# Allegro board AIC8800D80_EVB_V5-PCB.brd
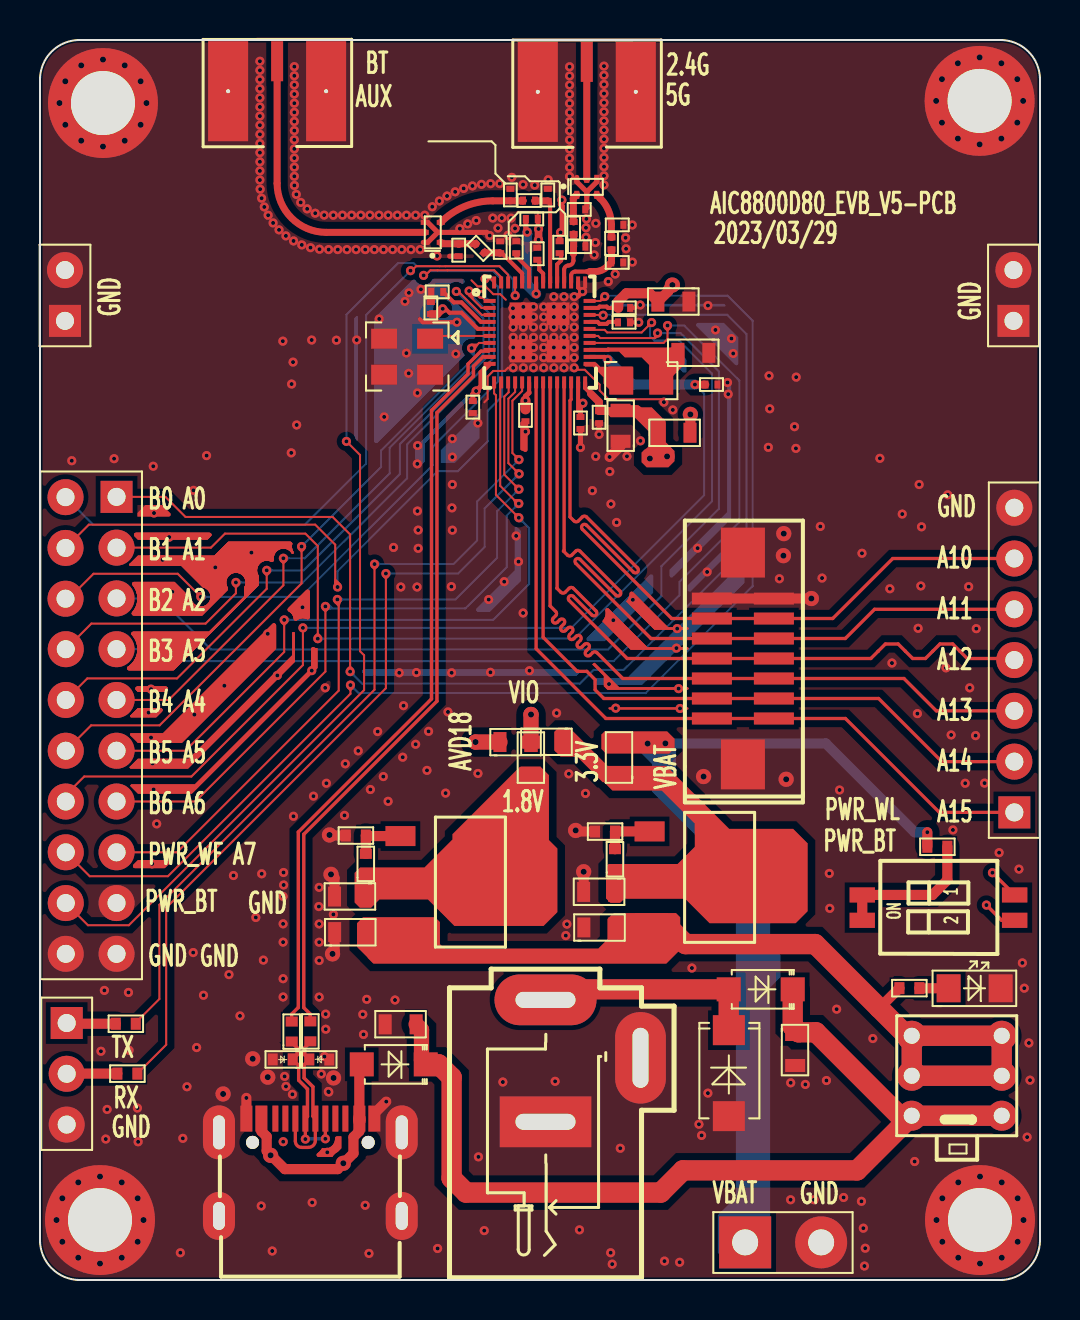
[diagram p0: board, top side]
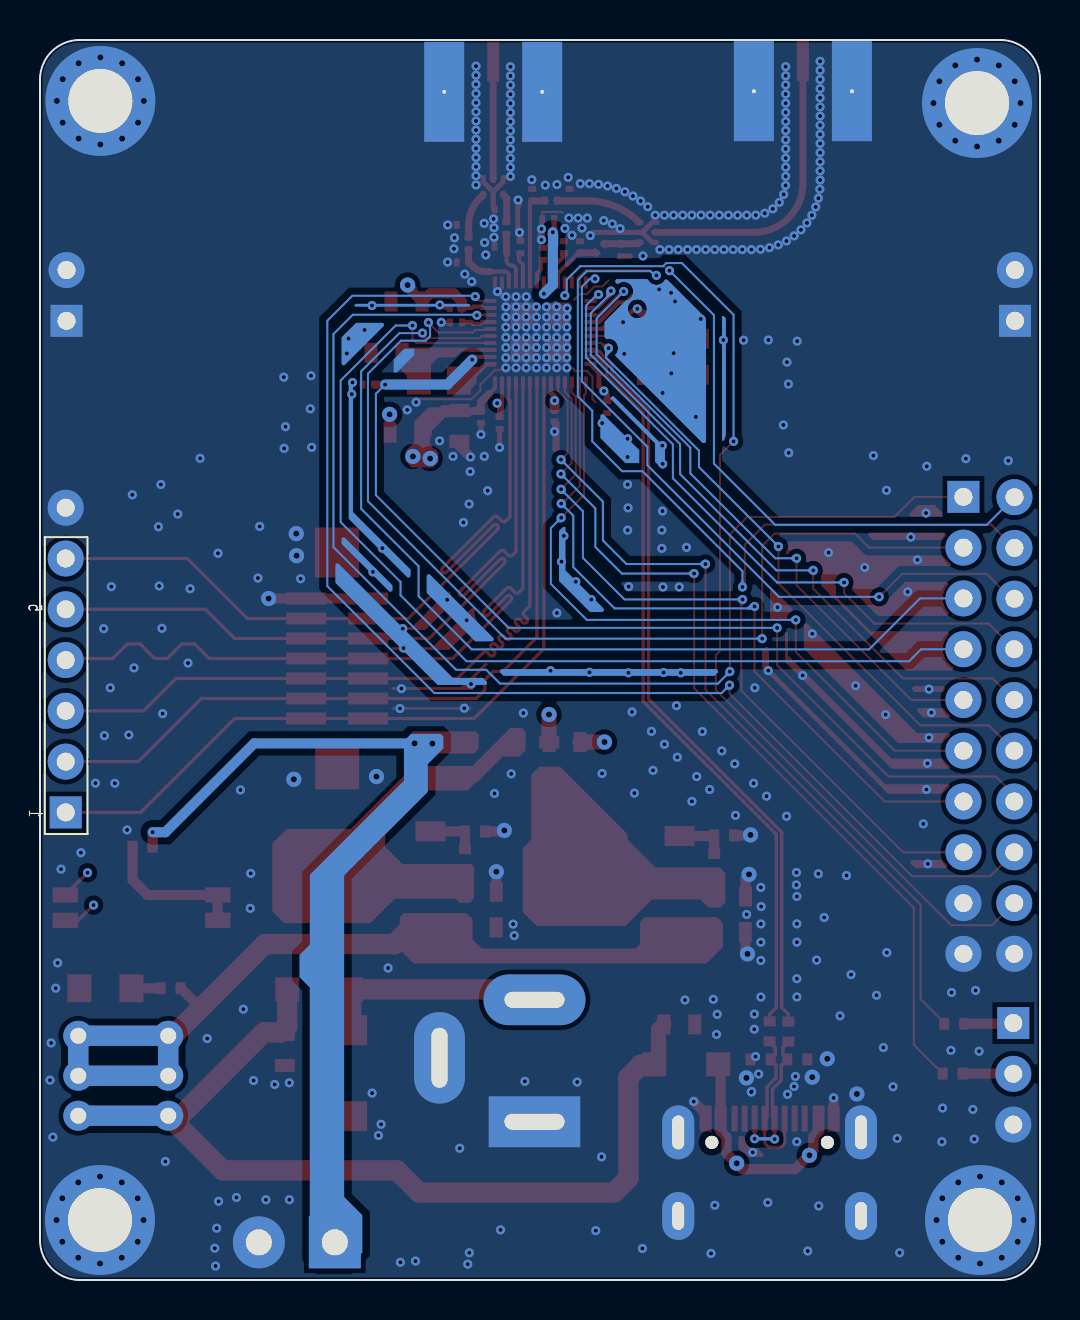
[diagram p1: board, bottom side, seen from below]

Outline 50 x 62.03 mm; copper layers: TOP, L2_GND, L3_VCC, BOTTOM. Coordinates in mm from the lower left corner of the outline.
Outline path: 0,60.05 arc(0.58,61.45) 1.98,62.03 48.02,62.03 arc(49.42,61.45) 50,60.05 50,2 arc(49.41,0.59) 48,0 2,0 arc(0.59,0.59) 0,2 0,60.05

## Design rules (mm)
net group USB_DM: nets N17026338 USB_DM
net group USB_DP: nets N17026336 USB_DP

## Placement (name value [footprint] x y rotation side)
C1  1uF  [C0201]  24.59 53.08 0 top
C2  1uF  [C0201]  24.86 51.34 270 top
C3  NC  [C0201]  25.39 54.28 90 top
C4  0.5pF  [C0201]  23.52 54.28 90 top
C5  2pF  [C0201]  20.94 51.51 270 top
C6  NC  [C0201]  23.01 51.66 90 top
C7  NC  [C0201]  26.97 51.69 0 top
C8  2pF  [C0201]  26.96 53.56 0 top
C9  NC  [C0201]  28.86 50.9 0 top
C10  0.5pF  [C0201]  28.87 52.78 0 top
C11  1uF  [C0201]  29.2 47.91 180 top
C12  4.7uF  [C0603]  31.67 48.94 180 top
C13  1uF  [C0201]  29.21 48.63 180 top
C14  1uF  [C0201]  19.86 49.43 0 top
C15  1uF  [C0201]  19.54 48.62 270 top
C16  1uF  [C0201]  24.27 43.26 90 top
C17  1uF  [C0201]  21.64 43.67 90 top
C18  1uF  [C0201]  27.02 42.87 90 top
C19  4.7uF  [C0603]  32.67 46.38 180 top
C20  10uF  [C0603]  15.51 17.4 0 top
C21  4.7uF  [C0603]  29.03 42.73 90 top
C22  10uF  [C0603]  18.03 12.79 180 top
C24  10uF  [C0603]  27.96 19.42 180 top
C25  10uF  [C0603]  27.97 17.64 0 top
C26  10uF  [C0603]  15.5 19.18 180 top
C27  1uF  [C0201]  27.95 43.16 90 top
C28  1uF/NC  [C0201]  33.57 44.79 180 top
C29  2pF  [C0201]  28.58 51.86 90 top
C30  1.2pF  [C0201]  24.45 54 180 top
C31  10uF  [C0603]  37.76 11.51 270 top
CON5  DC-005  [PWC0103-M-C]  25.28 7.92 270 top
D1  RB160M-20  [SOD-123FL_3P2_2P9X1P9]  36.04 14.54 180 top
D2  SMAJ5.0CA  [SMA_4P3_4P5X3P0]  34.44 10.35 90 top
D3  0402ESDA-MLP  [D0402]  13.96 11.03 0 top
D4  0402ESDA-MLP  [D0402]  12.13 11.04 180 top
D5  RB160M-20  [SOD-123FL_3P2_2P9X1P9]  17.69 10.79 180 top
J3  NC/FPC-LT_7P  [FPC-LT_1P0_7P]  35.14 31.09 90 top
J4  SMA-5P  [SMA_KE_3P_0P2_GAP0P75]  11.86 59.47 270 top
J6  SMA-5P  [SMA_KE_3P_0P2_GAP0P75]  27.34 59.44 270 top
J8  HEADER2  [CON2_3P8_3P8X7P6_TESTPWR]  35.26 1.88 0 top
J9  CON1x2  [CON2_2P54_5P08X2P54]  48.67 47.98 90 top
J10  CON1x3  [CON3_2P54_7P62X2P54]  1.33 12.86 270 top
J11  CON2x10  [CON2X10_2P54_25P4X5P08]  3.83 39.18 270 top
J12  CON1x7  [CON7_2P54_17P78X2P54]  48.72 23.39 90 top
J13  CON1x2  [CON2_2P54_5P08X2P54]  1.25 47.98 90 top
L1  1.2nH  [L0201]  23.81 51.67 270 top
L2  1.4nH  [L0201]  25.98 51.67 90 top
L4  4.7uH  [L0805]  30.06 44.99 0 top
L5  1.8nH  [L0201]  26.68 52.63 90 top
L6  2nH  [L0201]  21.99 51.61 315 top
LED1  LED  [LED_0805]  46.73 14.59 0 top
MG1  NC/M_GND  [MG_C5P5_H3P2]  3 3 0 top
MG2  NC/M_GND  [MG_C5P5_H3P2]  47 3 0 top
MG3  NC/M_GND  [MG_C5P5_H3P2]  3.15 58.88 0 top
MG4  NC/M_GND  [MG_C5P5_H3P2]  46.98 58.98 0 top
NOREF  -  []  40.79 55.94 0 top
R12  1k  [R0402]  28.75 21.05 90 top
R13  1.6k  [R0402]  28.25 22.44 180 top
R14  0R  [R0402]  13.52 12.44 90 top
R15  0R  [R0402]  12.59 12.43 90 top
R16  1k  [R0402]  16.29 20.82 90 top
R17  470R  [R0402]  15.79 22.24 180 top
R18  10K  [R0402]  43.47 14.6 0 top
R19  1k  [R0402]  4.29 12.82 180 top
R20  1k  [R0402]  4.37 10.33 180 top
R21  47K  [R0402]  44.87 21.68 180 top
R23  0R/NC  [R0603]  28.94 26.13 90 top
R24  0R/NC  [R0603]  31.73 42.39 0 top
R26  0R/NC  [R0603]  24.54 26.13 90 top
R28  0R/NC  [R0603]  23.77 26.91 0 top
R29  0R/NC  [R0603]  25.33 26.92 180 top
SW2  SW_6P_5.8x5.8mm  [SW-6P_5P8X5P8]  45.84 10.22 270 top
SW3  sw2_1p27_4p2x5p4  [SW2_1P27_4P2X5P4]  44.92 18.63 90 top
U1  SLFD18-5R950G-07T  [DP1806_0P5_1P6X0P8]  19.64 52.41 90 top
U2  AMS1117-ADJ  [SOT-223_4_2P3M_6P7X10M]  37.48 20.14 270 top
U3  TYPE_C_USB  [USB_TYPE-C_16PIN]  13.52 7.98 0 top
U4  AMS1117-ADJ  [SOT-223_4_2P3M_6P7X10M]  25.02 19.91 270 top
U8  AIC8800D80/AIC8800M80  [QFN48-F-4EP_0P35_5X5X0P75]  24.98 47.4 0 top
U9  SLFD18-5R950G-07T  [DP1806_0P5_1P6X0P8]  27.34 54.69 0 top
Y1  40MHz  [OSC-4_3225_3P2X2P5X0P7]  18.36 46.19 180 top

## Library data of the parts
C1-C21 C24-C30 = C_SMT
C22 C31 = CAP NP
CON5 = CON_DC005
D1 D5 = DIODE
D2 = TVS
D3 D4 = DIODE_TVS_BIDIR
J3 = FPC-LT_7P
J4 J6 = SMA-5P
J8 J9 J13 = CON1x2
J10 = CON1x3
J11 = CON2x10
J12 = CON1x7
L1 L2 L4-L6 = INDUCTOR
LED1 = LED
MG1-MG4 = M_GND
R12 R13 R16-R21 R23 R24 R26 R28 R29 = R_SMT
R14 R15 = R_SMT: signal model: R_SMT_R0402_0R_0R
SW2 = SW_6P_5.8x5.8mm
SW3 = sw2_1p27_4p2x5p4
U1 U9 = DP1608
U2 U4 = ASM1117
U3 = USB_TYPE-C_16p
U8 = AIC8800D80/AIC8800M80
Y1 = 26MHz

## Footprints (pads in the part's own frame, mm; a bottom-side part is the same pattern mirrored in y, then rotated)
C0201
  rect 0.3x0.4 smd: 1(-0.3,0) 2(0.3,0)
C0603
  rect 0.65x1 smd: 1(-0.775,0) 2(0.775,0)
CON2_2P54_5P08X2P54
  rect 1.6x1.6 hole 0.9: 1(0,0)
  round 1.8 hole 0.9: 2(2.54,0)
CON2_3P8_3P8X7P6_TESTPWR
  rect 2.6x2.6 hole 1.3: 1(0,0)
  round 2.6 hole 1.3: 2(3.8,0)
CON2X10_2P54_25P4X5P08
  rect 1.6x1.6 hole 0.9: 1(0,0)
  round 1.8 hole 0.9: 2(0.015,-2.552) 3(2.54,0) 4(2.555,-2.552) 5(5.08,0) 6(5.095,-2.552) 7(7.62,0) 8(7.62,-2.54) 9(10.16,0) 10(10.16,-2.54) 11(12.7,0) 12(12.7,-2.54) 13(15.24,0) 14(15.24,-2.54) 15(17.78,0) 16(17.78,-2.54) 17(20.32,0) 18(20.32,-2.54) 19(22.86,0) 20(22.86,-2.54)
CON3_2P54_7P62X2P54
  rect 1.6x1.6 hole 0.9: 1(0,0)
  round 1.8 hole 0.9: 2(2.54,0) 3(5.08,0)
CON7_2P54_17P78X2P54
  rect 1.6x1.6 hole 0.9: 1(0,0)
  round 1.8 hole 0.9: 2(2.54,0) 3(5.08,0) 4(7.62,0) 5(10.16,0) 6(12.7,0) 7(15.24,0)
D0402
  rect 0.5x0.6 smd: 1(-0.5,0) 2(0.5,0)
DP1806_0P5_1P6X0P8
  rect 0.25x0.4 smd: 1(-0.5,-0.4) 3(0.5,-0.4) 4(0.5,0.4) 5(0,0.4)
  oval 0.25x0.4 smd: 2(0,-0.4) 6(-0.5,0.4)
FPC-LT_1P0_7P
  rect 0.6x2 smd: 1(-3,1.55) 2(-2,1.55) 3(-1,1.55) 4(0,1.55) 5(1,1.55) 6(2,1.55) 7(3,1.55) 8(-3,-1.55) 9(-2,-1.55) 10(-1,-1.55) 11(0,-1.55) 12(1,-1.55) 13(2,-1.55) 14(3,-1.55)
  rect 2.5x2.2 smd: 15(-5.3,0) 16(5.3,0)
L0201
  rect 0.3x0.4 smd: 1(-0.3,0) 2(0.3,0)
L0805
  rect 1.2x1.4 smd: 1(-1,0) 2(1,0)
LED_0805
  rect 1.2x1.4 smd: 1(1.3,0) 2(-1.3,0)
MG_C5P5_H3P2
  round 5.5 hole 3.2: 1(0,0)
OSC-4_3225_3P2X2P5X0P7
  rect 1.3x1 smd: 1(-1.15,-0.9) 2(1.15,-0.9) 3(1.15,0.9) 4(-1.15,0.9)
PWC0103-M-C
  rect 2.54x4.58 hole 0.8x3: 1(0,0)
  oval 2.54x5.1 hole 0.8x3: 2(-6.1,0)
  oval 4.58x2.54 hole 3x0.8: 3(-3.2,4.75)
QFN48-F-4EP_0P35_5X5X0P75
  rect 0.6x0.2 smd: 1(-2.5,1.575) 2(-2.5,1.225) 3(-2.5,0.875) 4(-2.5,0.525) 5(-2.5,0.175) 6(-2.5,-0.175) 7(-2.5,-0.525) 8(-2.5,-0.875) 9(-2.5,-1.225) 10(-2.5,-1.575) 25(2.5,-1.575) 26(2.5,-1.225) 27(2.5,-0.875) 28(2.5,-0.525) 29(2.5,-0.175) 30(2.5,0.175) 31(2.5,0.525) 32(2.5,0.875) 33(2.5,1.225) 34(2.5,1.575)
  rect 0.2x0.6 smd: 11(-2.275,-2.5) 12(-1.925,-2.5) 13(-1.575,-2.5) 14(-1.225,-2.5) 15(-0.875,-2.5) 16(-0.525,-2.5) 17(-0.175,-2.5) 18(0.175,-2.5) 19(0.525,-2.5) 20(0.875,-2.5) 21(1.225,-2.5) 22(1.575,-2.5) 23(1.925,-2.5) 24(2.275,-2.5) 35(2.275,2.5) 36(1.925,2.5) 37(1.575,2.5) 38(1.225,2.5) 39(0.875,2.5) 40(0.525,2.5) 41(0.175,2.5) 42(-0.175,2.5) 43(-0.525,2.5) 44(-0.875,2.5) 45(-1.225,2.5) 46(-1.575,2.5) 47(-1.925,2.5) 48(-2.275,2.5)
  rect 1.15x1.15 smd: 49(-0.925,0.925) 50(0.925,0.925) 51(-0.925,-0.925) 52(0.925,-0.925)
R0402
  rect 0.5x0.6 smd: 1(-0.5,0) 2(0.5,0)
R0603
  rect 0.65x1 smd: 1(-0.775,0) 2(0.775,0)
SMA_4P3_4P5X3P0
  rect 1.5x1.6 smd: 1(-2.15,0) 2(2.15,0)
SMA_KE_3P_0P2_GAP0P75
  rect 2x0.6 smd: 1(-1.5,0)
  rect 5x2 hole 0.2: 2(0,2.45) 3(0,-2.45)
SOD-123FL_3P2_2P9X1P9
  rect 1.2x1.2 smd: 1(-1.6,0) 2(1.6,0)
SOT-223_4_2P3M_6P7X10M
  rect 1x1.5 smd: 1(-2.3,-7) 2(0,-7) 3(2.3,-7)
  rect 3.2x1.5 smd: 4(0,0)
SW2_1P27_4P2X5P4
  rect 0.76x1.27 smd: 1(-0.635,3.81) 2(-0.635,-3.81) 3(0.635,3.81) 4(0.635,-3.81)
SW-6P_5P8X5P8
  round 1.5 hole 0.8: 1(-2,-2.25) 2(0,-2.25) 3(2,-2.25) 4(-2,2.25) 5(0,2.25) 6(2,2.25)
USB_TYPE-C_16PIN
  round 0.65 hole 0.65: (-2.89,-1.09) (2.89,-1.09)
  rect 0.6x1.3 smd: A1B12(-3.2,0.1) A4B9(-2.45,0.1) B1A12(3.2,0.1) B4A9(2.45,0.1)
  rect 0.3x1.3 smd: A5(-1.25,0.1) A6(-0.25,0.1) A7(0.25,0.1) A8(1.25,0.1) B5(1.75,0.1) B6(0.75,0.1) B7(-0.75,0.1) B8(-1.75,0.1)
  oval 1.6x2.7 hole 0.6x1.7: G1(-4.57,-0.59) G2(4.57,-0.59)
  oval 1.6x2.4 hole 0.6x1.4: G3(4.57,-4.77) G4(-4.57,-4.77)

## Nets
AVDD13: C19.2 L4.2 U8.27(V_RF)
AVDD18: C15.2 R28.1 U8.5(AVDD18)
AVDD33_PA: C12.2 C13.2 R24.2 U8.33(VDD33_PA)
GND: C1.2 C2.1 C3.2 C4.2 C5.2 C6.2 C7.2 C8.2 C9.2 C10.2 C11.1 C12.1 C13.1 C14.1 C15.1 C16.1 C17.1 C18.1 C19.1 C20.1 C21.1 C22.2 C24.2 C25.1 C26.2 C27.1 C28.1 C31.2 CON5.1(G2) CON5.3(G1) D2.1(A) D3.2(A2) D4.2(A2) J3.7 J3.14 J3.15 J3.16 J4.2 J4.3 J6.2 J6.3 J8.2 J9.1 J9.2 J10.3 J11.17 J11.19 J11.20 J12.7 J13.1 J13.2 L1.1 L2.2 LED1.1(CATHODE) MG1.1 MG2.1 MG3.1 MG4.1 R13.2 R17.2 U1.2(G#2) U1.4(G#4) U1.6(G#6) U3.A1B12(GND#A1B12) U3.B1A12(GND#B1A12) U3.G1 U3.G2 U3.G3 U3.G4 U8.35(AVSS#35) U8.36(AVSS#36) U8.49(EP#49) U8.50(EP#50) U8.51(EP#51) U8.52(EP#52) U9.2(G#2) U9.4(G#4) U9.6(G#6) Y1.2 Y1.3 Y1.4
VBAT: C21.2 C27.2 J8.1 R21.2 R23.2 R24.1 U8.24(VBAT)
VCC5V: C20.2 C25.2 R18.1 SW2.1 SW2.2 SW2.4 SW2.5 U2.3(IN) U4.3(IN)
VCC5V_IN: C22.1 C31.1 D1.1(K) D5.1(K) SW2.3 SW2.6
VCC18: C26.1 R16.1 R26.1 U4.2(OUT) U4.4(OUT2)
VCC33: C24.1 R12.1 R23.1 R29.1 U2.2(OUT) U2.4(OUT2)
BT_AUX_ANT: J4.1 U1.5(RF_IN)
BT_DVDD: C1.1 U8.42(DVDD_BT)
BT_IND: L1.2 U8.43(BT_IND)
DECAP0: C11.2 U8.31(AVDD#31)
DECAP1: C2.2 U8.41(AVDD#41)
DECAP2: C14.2 U8.4(AVDD#4)
GPIOA0: J11.1 U8.32(GPIOA0)
GPIOA1: J11.3 U8.30(GPIOA1)
GPIOA2: J11.5 U8.29(GPIOA2)
GPIOA3: J11.7 U8.28(GPIOA3)
GPIOA4: J11.9 U8.3(GPIOA4)
GPIOA5: J11.11 U8.11(GPIOA5)
GPIOA6: J11.13 U8.12(GPIOA6)
GPIOA7: J11.15 U8.13(GPIOA7)
GPIOA8: R20.1 U8.14(GPIOA8)
GPIOA9: R19.1 U8.15(GPIOA9)
GPIOA10: J3.6 J3.13 J12.6 U8.22(GPIOA10)
GPIOA11: J3.5 J3.12 J12.5 U8.21(GPIOA11)
GPIOA12: J3.4 J3.11 J12.4 U8.20(GPIOA12)
GPIOA13: J3.3 J3.10 J12.3 U8.19(GPIOA13)
GPIOA14: J3.2 J3.9 J12.2 U8.18(GPIOA14)
GPIOA15: J3.1 J3.8 J12.1 U8.17(GPIOA15)
GPIOB0: J11.2 U8.46(GPIOB0)
GPIOB1: J11.4 U8.47(GPIOB1)
GPIOB2: J11.6 U8.48(GPIOB2)
GPIOB3: J11.8 U8.1(GPIOB3)
GPIOB4: J11.10 U8.2(GPIOB4)
GPIOB5: J11.12 U8.7(GPIOB5)
GPIOB6: C28.2 J11.14 U8.26(GPIOB6/V_FLS)
PWR_BT: J11.18 SW3.2 U8.45(PWR_BT)
PWR_WF: J11.16 SW3.4 U8.34(PWR_WF)
RF_BT_ANT: C5.1 L6.1 U1.1(TR_2)
USB_DM: R14.2 U8.9(USB_DM)
USB_DP: R15.2 U8.8(USB_DP)
VCORE: C17.2 C18.2 U8.10(V_CORE#10) U8.23(V_CORE#23)
VIO: C16.2 R26.2 R28.2 R29.2 U8.16(VIO)
WF_5G_ANT: C10.1 C29.2 U9.3(TR_5)
WF_24G_ANT: C8.1 L5.2 U9.1(TR_2)
WF_AUX5G_ANT: C4.1 C30.2 U1.3(TR_5)
WF_IND: L2.1 U8.39(WF_IND2G4)
WL_ANT: J6.1 U9.5(RF_IN)
XTAL0: U8.6(XTAL0) Y1.1
N17021817: C9.1 C29.1 U8.37(WF_RF5G)
N17021821: C7.1 L5.1 U8.38(WF_RF2G4)
N17021825: C3.1 C30.1 U8.40(WF_AUX5G)
N17021833: C6.1 L6.2 U8.44(BT_RF)
N17022732: L4.1 U8.25(SW)
N17026336: D4.1(A1) R15.1 U3.A6(DP1) U3.B6(DP2)
N17026338: D3.1(A1) R14.1 U3.A7(DN1) U3.B7(DN2)
N17026340: D5.2(A) U3.A4B9(VBUS#A4B9) U3.B4A9(VBUS#B4A9)
N17027497: LED1.2(ANODE) R18.2
N17028175: R12.2 R13.1 U2.1(ADJ)
N17028269: R16.2 R17.1 U4.1(ADJ)
N17028696: J10.1 R19.2
N17028709: J10.2 R20.2
N17030711: R21.1 SW3.1 SW3.3
N17075495: CON5.2(P) D1.2(A) D2.2(K)

Pads without a net: U3 A5 A8 B5 B8

## Via types
v1: diameter 0.457, hole 0.203, TOP to BOTTOM, 478 vias
v2: diameter 0.762, hole 0.305, TOP to BOTTOM, 72 vias

## Routing (per net, layer and track width the routed paths; a pad name or vN(x,y) marks a point on that pad's centre or on a via; arc(x,y) is an arc through that point)
AVDD13: length 6.2
  TOP w0.203: U8.27 28.39,46.53 28.41,46.55 31.73,46.55 C19.2 31.89,45.82 L4.2
AVDD18: length 30.8
  TOP w0.203: v1(20.14,48.58) 20.28,48.58 20.47,48.39 21.08,48.39 21.89,47.58 U8.5
  TOP w0.381: C15.2 19.88,48.32 v1(20.14,48.58)
  TOP w0.762: R28.1 v2(21.78,26.91)
  L3_VCC w0.508: v2(21.78,26.91) 21.6,27.09 21.6,41.93 20.06,43.47 18.77,43.47 17.47,44.77 17.47,47.29 18.77,48.58 v1(20.14,48.58)
AVDD33_PA: length 13
  TOP w0.203: U8.33 27.91,48.63 27.98,48.69 28.34,48.69 28.4,48.63 28.9,48.63 C13.2
  TOP w0.508: v2(31.62,49.77) 31.42,49.57 31.42,49.47 C12.2 30.48,49.36 29.32,49.36 28.91,48.95 C13.2 ; v2(32.52,43.3) 32.52,42.4 R24.2
  L3_VCC w0.508: v2(31.62,49.77) 31.62,49.47 32,49.09 32,44.02 32.52,43.5 v2(32.52,43.3)
GND: length 40.6
  TOP w0.102: C1.2 24.89,53.43 ; 24.89,53.43 24.91,53.43 ; 24.89,53.43 23.89,53.43 23.86,53.39 ; v1(26.71,45.63) 26.81,45.53 27.24,45.53 27.98,44.79 27.98,44.5 28.42,44.06 31.06,44.06 31.2,43.92 v1(31.2,43.91) ; 22.22,43.91 22.38,44.07 22.38,45.19 22.66,45.48 23.24,45.48 23.4,45.63 v1(23.66,45.63)
  TOP w0.203: U8.36 26.91,49.65 27.11,49.45 v1(27.13,49.45) ; C13.1 29.73,48.63 29.88,48.78 v1(30.01,48.78) ; v1(26.71,49.19) 26.71,49.22 ; 18.99,48.07 19.14,47.91 v1(20.84,47.91) ; C1.2 24.89,52.62 v1(24.93,52.58) ; C11.1 v1(29.94,47.91)
  TOP w0.254: U9.4 27.84,54.93 27.34,54.43 ; v1(27.3,52.16) 27.27,52.13 C7.2 ; C5.2 20.48,51.21 ; 19.89,52.41 19.39,52.91 U1.4 ; 19.89,52.41 19.39,51.91 U1.6 ; 19.89,52.41 U1.2 22.33,52.41 v1(22.49,52.25) ; 26.01,53.82 26.11,53.72 26.11,52.34 25.98,52.21 L2.2 ; 27.34,54.43 U9.2 27.34,53.63 C8.2 ; 27.34,54.43 26.84,54.93 U9.6 ; C16.1 v1(24.27,42.44) ; 27.02,42.37 v1(27.02,41.65) ; v1(27.13,49.45) 26.91,49.23 26.72,49.23 ; C27.1 v1(27.95,42.3)
  TOP w0.381: v1(24.93,52.58) v1(24.93,52.04)
  TOP w0.508: R13.2 26.84,22.44 v2(26.78,22.49) ; v2(38.57,34.09) J3.14 J3.7 ; C20.1 14.73,16.42 v2(14.63,16.31) ; U3.B1A12 16.72,8.33 v1(17.31,8.93) ; R17.2 14.5,22.24 v2(14.47,22.26) ; C26.2 14.73,20.12 v2(14.55,20.29) ; C21.1 29.03,41.72 v1(28.48,41.17) ; v1(10.32,9.11) U3.A1B12 ; C24.2 v2(27.18,20.42)
  L2_GND w0.102: 21.15,47.01 22.11,47.01
  vias: v1(1.59,40.98) v1(3.05,11.44) v1(3.22,14.49) v1(3.29,7.05) v1(3.36,8.53) v1(3.7,41.09) v1(4.42,14.39) v1(4.45,11.49) v1(4.87,8.6) v1(4.91,6.91) v1(5.43,28.38) v1(5.55,29.56) v1(5.55,27.14) v1(5.63,25.85) v1(5.61,20.82) v1(5.66,40.71) v1(5.7,38.37) v1(5.68,24.54) v1(5.83,22.82) v1(6.13,36.03) v1(6.46,37.16) v1(6.61,34.43) v1(7.02,1.36) v1(7.14,7.09) v1(7.35,9.67) v1(7.68,39.5) v1(7.72,28.28) v1(7.66,16.38) v1(7.83,11.63) v1(8.17,14.25) v1(8.33,41.24) v1(8.76,35.65) v1(9.22,29.73) v1(9.45,15.28) v1(9.67,20.23) v1(10,13.21) v1(10.57,36.39) v1(10.79,18.14) v1(11,60.97) v1(11,60.51) v1(11,60.05) v1(11,59.6) v1(11,59.14) v1(11,58.68) v1(11,58.23) v1(11,57.77) v1(11,57.31) v1(11,56.85) v1(11,56.4) v1(11,55.94) v1(11,55.48) v1(11,55.02) v1(11.01,54.57) v1(11.08,54.12) v1(11.08,20.32) v1(11.06,3.7) v1(11.21,53.68) v1(11.17,16) v1(11.41,53.26) v1(11.39,32.33) v1(11.61,1.45) v1(11.65,52.88) v1(11.87,30.24) v1(11.95,52.53) v1(12.14,46.97) v1(12.18,20.39) v1(12.18,19.76) v1(12.16,19.19) v1(12.16,17.82) v1(12.16,16.9) v1(12.16,15.07) v1(12.16,14.16) v1(12.23,10.19) v1(12.16,6.92) v1(12.3,52.23) v1(12.3,9.68) v1(12.58,44.82) v1(12.56,41.38) v1(12.62,9.29) v1(12.72,60.7) v1(12.72,60.24) v1(12.72,59.78) v1(12.72,59.33) v1(12.72,58.87) v1(12.72,58.41) v1(12.72,57.96) v1(12.72,57.5) v1(12.72,57.04) v1(12.72,56.58) v1(12.72,56.13) v1(12.72,55.67) v1(12.72,55.21) v1(12.72,54.76) v1(12.68,51.98) v1(12.65,45.92) v1(12.67,23.2) v1(12.82,54.31) v1(12.83,42.77) v1(13.04,53.91) v1(13.09,51.78) v1(13.12,33.65) v1(13.36,53.58) v1(13.52,51.64) v1(13.58,47.02) v1(13.59,30.49) v1(13.61,3.88) v1(13.67,24.2) v1(13.76,53.37) v1(13.94,18.68) v1(13.98,51.56) v1(13.96,19.64) v1(13.96,17.81) v1(13.96,16.9) v1(13.96,15.98) v1(13.96,14.16) v1(14.07,10.31) v1(14.21,53.27) v1(14.22,11.18) v1(14.26,29.62) v1(14.32,24.85) v1(14.28,13.3) v1(14.29,12.55) v1(14.43,51.55) v1(14.42,9.43) v1(14.44,9.4) v1(14.36,6.39) v1(14.67,53.27) v1(14.67,18.29) v1(14.82,47.01) v1(14.89,51.55) v1(15.12,53.27) v1(15.23,23.24) v1(15.35,51.55) v1(15.26,25.82) v1(15.58,53.27) v1(15.8,51.55) v1(15.83,47.02) v1(15.91,26.47) v1(16.04,53.27) v1(16.14,13.29) v1(16.17,12.29) v1(16.26,51.55) v1(16.34,14.04) v1(16.26,3.74) v1(16.45,1.33) v1(16.49,53.27) v1(16.52,24.54) v1(16.72,51.55) v1(16.88,27.44) v1(16.95,53.27) v1(16.96,48.08) v1(17.18,51.55) v1(17.21,43.18) v1(17.17,25.18) v1(17.41,53.27) v1(17.4,23.95) v1(17.63,51.55) v1(17.68,36.65) v1(17.75,14.01) v1(17.87,53.27) v1(18.04,34.67) v1(17.96,30.38) v1(18.09,51.55) v1(18.14,26.15) v1(18.25,48.95) v1(18.18,28.73) v1(18.32,53.27) v1(18.32,46.37) v1(18.45,49.38) v1(18.44,45.36) v1(18.55,51.55) v1(18.78,53.27) v1(18.82,30.39) v1(18.78,26.8) v1(18.87,44.38) v1(18.88,41.74) v1(18.87,40.83) v1(18.87,38.47) v1(18.91,37.52) v1(18.91,36.6) v1(18.85,34.67) v1(19,51.55) v1(19.05,49.56) v1(19.24,53.27) v1(19.35,25.49) v1(19.43,27.45) v1(19.61,53.69) v1(19.85,51.23) v1(19.88,1.58) v1(19.97,53.98) v1(20.28,24.36) v1(20.35,54.23) v1(20.4,28.42) v1(20.62,42.08) v1(20.62,41.17) v1(20.62,39.8) v1(20.6,38.62) v1(20.62,37.51) v1(20.57,34.69) v1(20.58,30.38) v1(20.76,54.44) v1(20.79,46.33) v1(20.99,52.6) v1(21.18,54.61) v1(21.39,52.83) v1(21.62,54.73) v1(21.81,53) v1(21.89,42.87) v1(21.9,25.34) v1(21.92,6.16) v1(22.07,54.81) v1(22.21,2.47) v1(22.44,34.04) v1(22.53,54.84) v1(22.52,30.4) v1(22.64,53.12) v1(22.9,52.62) v1(22.99,54.84) v1(23.09,53.12) v1(23.14,9.9) v1(23.21,34.93) v1(23.4,52.26) v1(23.59,55.16) v1(23.55,53.12) v1(23.65,48.61) v1(23.66,48.17) v1(23.66,47.67) v1(23.66,47.16) v1(23.66,46.65) v1(23.66,46.14) v1(23.75,52.6) v1(23.81,37.22) v1(23.93,35.94) v1(24.15,54.8) v1(24.17,48.68) v1(24.17,48.17) v1(24.17,47.67) v1(24.17,47.16) v1(24.17,46.65) v1(24.17,46.14) v1(24.17,45.63) v1(24.16,33.37) v1(24.47,30.48) v1(24.74,54.77) v1(24.68,48.68) v1(24.68,48.17) v1(24.68,47.67) v1(24.68,47.16) v1(24.68,46.65) v1(24.68,46.14) v1(24.68,45.63) v1(25.18,48.68) v1(25.18,48.17) v1(25.18,47.67) v1(25.18,47.16) v1(25.18,46.65) v1(25.18,46.14) v1(25.18,45.63) v1(25.41,55.04) v1(25.69,49.19) v1(25.69,48.68) v1(25.69,48.17) v1(25.69,47.67) v1(25.69,47.16) v1(25.69,46.65) v1(25.69,46.14) v1(25.69,45.63) v1(25.83,28.36) v1(25.76,9.94) v1(26.02,52.41) v1(26.09,54.03) v1(26.2,49.19) v1(26.2,48.68) v1(26.2,48.17) v1(26.2,47.67) v1(26.2,47.16) v1(26.2,46.65) v1(26.2,46.14) v1(26.2,45.63) v1(26.35,17.8) v1(26.29,17.23) v1(26.44,25.32) v1(26.48,60.69) v1(26.48,60.23) v1(26.48,59.78) v1(26.48,59.32) v1(26.48,58.86) v1(26.48,58.41) v1(26.48,57.95) v1(26.48,57.49) v1(26.48,57.03) v1(26.48,56.58) v1(26.48,56.12) v1(26.48,55.66) v1(26.48,55.21) v1(26.71,48.68) v1(26.71,48.17) v1(26.71,47.67) v1(26.71,47.16) v1(26.71,46.65) v1(26.71,46.14) v1(26.97,2.51) v1(27.32,53.08) v1(27.3,52.64) v1(27.27,24.34) v1(27.62,39.49) v1(27.71,51.28) v1(27.79,52.86) v1(27.77,51.9) v1(27.79,41.2) v1(28.2,60.72) v1(28.2,60.27) v1(28.2,59.81) v1(28.2,59.35) v1(28.2,58.9) v1(28.2,58.44) v1(28.2,57.98) v1(28.2,57.52) v1(28.2,57.07) v1(28.2,56.61) v1(28.2,56.15) v1(28.2,55.7) v1(28.2,55.24) v1(28.2,54.78) v1(28.41,49.95) v1(28.49,40.44) v1(28.55,38.82) v1(28.45,29.81) v1(28.53,1.36) v1(28.61,0.79) v1(28.67,33.01) v1(28.76,50.32) v1(28.83,37.9) v1(28.79,28.61) v1(29.01,6.59) v1(29.28,52.14) v1(29.3,51.59) v1(29.35,41.2) v1(29.61,52.78) v1(29.62,50.92) v1(29.64,34.03) v1(30.02,41.98) v1(31.22,0.95) v1(31.64,43.53) v1(31.82,31.61) v1(31.86,32.59) v1(31.93,29.58) v1(32,28.59) v1(31.98,0.89) v1(32.6,15.61) v1(32.88,36.61) v1(32.95,7.79) v1(33.08,7.23) v1(33.4,48.75) v1(33.36,35.42) v1(33.4,9.35) v1(33.77,47.53) v1(34.38,44.9) v1(34.41,44.31) v1(34.57,47.1) v1(34.66,46.35) v1(36.42,41.65) v1(36.45,45.23) v1(36.49,43.58) v1(36.97,35.08) v1(37.53,9.86) v1(37.53,4.02) v1(37.73,42.69) v1(37.81,45.17) v1(37.8,41.6) v1(38.27,9.78) v1(38.7,4.02) v1(39.02,37.7) v1(39.1,35.12) v1(39.32,9.98) v1(39.46,20.34) v1(39.49,18.59) v1(39.83,13.55) v1(39.98,24.51) v1(40.18,4.13) v1(41.1,36.35) v1(41.07,3.94) v1(41.17,2.59) v1(41.22,0.7) v1(41.26,1.59) v1(41.64,12.08) v1(42,41.1) v1(42.49,34.58) v1(42.6,30.86) v1(43.11,38.32) v1(43.73,5.93) v1(43.9,32.6) v1(43.87,28.33) v1(43.96,39.79) v1(44.04,34.72) v1(44.08,37.68) v1(45.3,30.62) v1(45.39,39.28) v1(45.56,27.27) v1(45.65,22.51) v1(46.26,24.85) v1(46.43,34.68) v1(46.49,29.62) v1(46.81,32.58) v1(46.78,27.23) v1(47.23,24.86) v1(47.95,21.38) v1(48.95,20.55) v1(49.12,15.86) v1(49.21,14.6) v1(49.45,11.86) v1(49.36,7.15) v1(49.5,10) v2(0.82,3) v2(0.97,58.88) v2(1.12,4.09) v2(1.12,1.91) v2(1.27,59.96) v2(1.27,57.79) v2(1.91,4.88) v2(1.91,1.12) v2(2.06,60.76) v2(2.06,56.99) v2(3,5.17) v2(3,0.82) v2(3.15,61.05) v2(3.15,56.7) v2(4.09,4.88) v2(4.09,1.12) v2(4.24,60.76) v2(4.24,56.99) v2(4.88,4.09) v2(4.88,1.91) v2(5.03,59.96) v2(5.03,57.79) v2(5.17,3) v2(5.32,58.88) v2(9.16,9.31) v2(10.64,11.07) v2(11.39,10.15) v2(14.68,10.11) v2(33.18,25.19) v2(37.19,37.34) v2(37.17,36.24) v2(37.31,25.05) v2(44.81,58.98) v2(44.83,3) v2(45.1,60.07) v2(45.1,57.9) v2(45.12,4.09) v2(45.12,1.91) v2(45.89,60.87) v2(45.89,57.1) v2(45.91,4.88) v2(45.91,1.12) v2(46.98,61.16) v2(46.98,56.81) v2(47,5.17) v2(47,0.82) v2(48.07,60.87) v2(48.07,57.1) v2(48.09,4.88) v2(48.09,1.12) v2(48.86,60.07) v2(48.86,57.9) v2(48.88,4.09) v2(48.88,1.91) v2(49.16,58.98) v2(49.18,3)